# Altium PCB PCB.PcbDoc (part 2 of 3)
Units mm, origin at the board's own origin, x right, y up, seen from the top; angles counter-clockwise.
Board outline 157.4 x 131.87 mm, 4 copper layers (Top Layer, Power, GND, Bottom Layer), stack 0.603 mm thick; 193 components, 161 nets, 761 pads, 797 vias.
Unrouted connection lines stored in the file: 9.
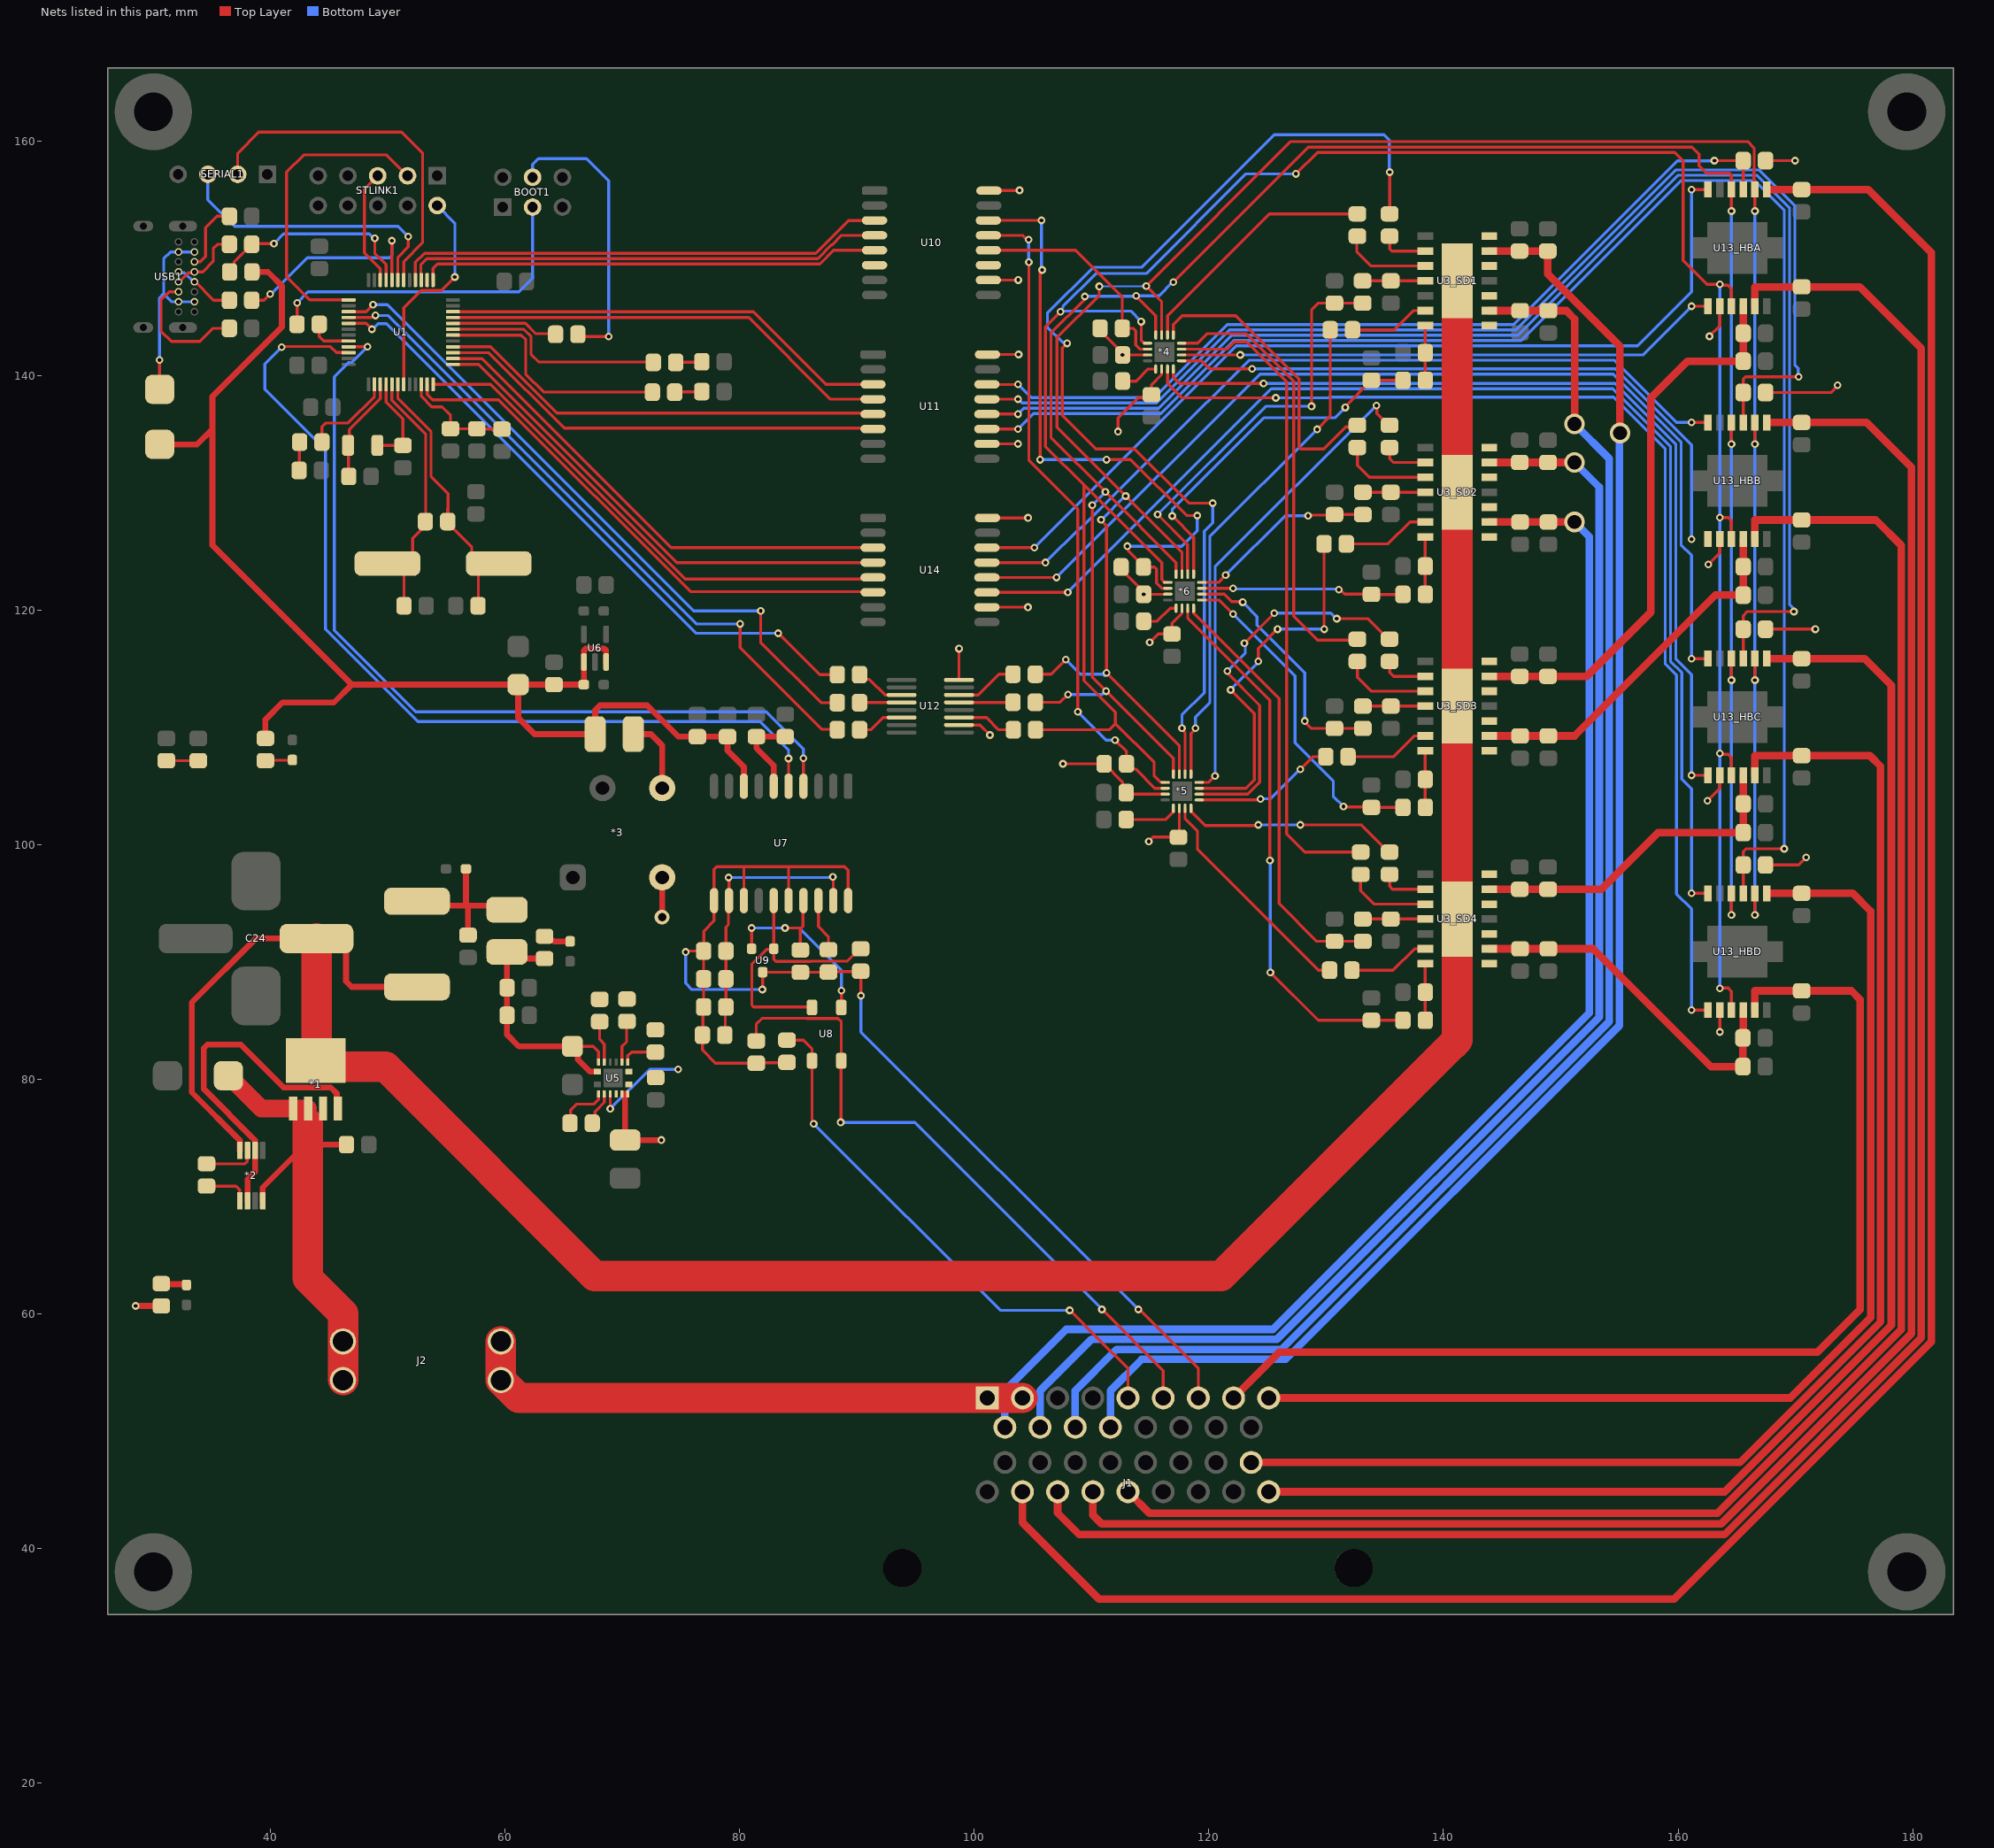
[diagram p4: the nets of this part, all layers, seen from the top]

## Via types
v1: diameter 0.55, hole 0.25, Top Layer to Bottom Layer, tented both sides, 563 vias
v2: diameter 0.66, hole 0.33, Top Layer to Bottom Layer, tented both sides, 193 vias
v3: diameter 0.254, hole 0.127, Top Layer to Bottom Layer, tented both sides, 36 vias
v4: diameter 1.75, hole 1.191, Top Layer to Bottom Layer, tented both sides, 4 vias
v5: diameter 1.27, hole 0.711, Top Layer to Bottom Layer, tented both sides, 1 vias

## Nets (pads, with @x,y where several pads share a name; then routed paths per layer and width w, separated by ;. In a path a pad name is that pad's centre, name@x,y a point inside that pad or via, vN(x,y) a via of type N, cw(c..) or ccw(c..) an arc to the next point about the centre after c; other vN are vias at no path point) (continued)
5V: *3.4 *4.7 *4.10 *5.7 *5.10 *6.7 *6.10 C29.2 C51.2 C52.2 C54.2 C55.2 C57.2 C58.2 D6.A R30.2 R31.2 R32.2 R39_HBA.2 R39_HBB.2 R39_HBC.2 R39_HBD.2 U5.4 U5.5 U5.6 U10.10 U10.16 U11.10 U11.16 U12.10 U12.16 U13_HBA.2 U13_HBB.2 U13_HBC.2 U13_HBD.2 U14.10 U14.16 | length 100.4
  Top Layer w0.25: U12.10@98.688,110.206 100.469,110.206 v2(101.325,109.35) ; U12.16@98.688,114.046 v2(98.688,116.713) ; U14.10@101.064,120.247 v2(104.572,120.247) ; U11.10@101.064,134.174 v2(103.724,134.174) ; U14.16@101.115,127.867 v2(104.575,127.867) ; U11.16@101.115,141.794 v2(103.769,141.794) ; U10.10@101.191,148.144 v2(103.744,148.144) ; U10.16@101.242,155.764 101.26,155.782 103.832,155.782 v2(103.85,155.8) ; v2(107.553,106.897) R31.2@111.064,106.897 112.614,105.347 112.614,104.757 113.06,104.312 *5.10@116.27,104.312 ; R30.2@110.714,144.028 110.714,143.855 112.638,141.93 v2(112.638,141.757) *4.10@114.765,141.757 ; v2(112.25,135.225) 112.25,136.4 113.973,138.123 114.848,138.123 C52.2@115.098,138.373 115.098,139.225 115.965,140.092 *4.7@115.965,140.557 ; R32.2@112.513,123.678 112.513,123.474 114.437,121.55 v2(114.437,121.345) 116.203,121.345 116.219,121.361 *6.10@116.494,121.361 ; v2(114.875,100.275) 115.24,100.64 C55.2@117.401,100.64 117.47,100.709 *5.7@117.47,103.112 ; v2(114.95,117.25) 115.665,117.965 C58.2@116.851,117.965 116.851,118.878 117.694,119.721 *6.7@117.694,120.161 ; v2(162.5,103.75) 163.556,104.806 U13_HBC.2@163.556,105.912 ; v2(162.575,123.9) 163.556,124.881 U13_HBB.2@163.556,126.052 ; v2(162.675,143.35) 163.556,144.231 U13_HBA.2@163.556,145.909 ; v2(163.556,84.031) U13_HBD.2@163.556,85.902 ; R39_HBD.2@167.456,98.276 170.276,98.276 v2(170.925,98.925) ; R39_HBC.2@167.456,118.376 v2(171.701,118.376) ; R39_HBB.2@167.456,138.551 173.026,138.551 173.6,139.125 v2(173.6,139.175) ; R39_HBA.2@167.456,158.326 v2(169.974,158.326)
  Top Layer w0.5: v2(28.475,60.675) D6.A@30.675,60.675 ; 70.225,78.75 C29.2@70.225,74.815 v2(73.3,74.815) ; v5(73.375,93.825) *3.4@73.375,97.207
"5V (ISO)": C35.2 C36.2 C37.2 C39.2 C41.2 C42.2 C43.2 D3.K D7.A L2.1 R9.1 U6.1 U6.3 U7.6 U7.8 | length 122.1
  Top Layer w0.5: D3.K@30.525,134.125 33.718,134.125 35.025,135.432 ; R9.1@38.4,148.836 39.764,148.836 40.95,147.65 40.95,144.144 35.025,138.219 35.025,135.432 ; D7.A@39.549,109.062 39.549,110.674 41,112.125 45.388,112.125 46.913,113.65 ; U6.3@68.6,115.575 68.6,116.579 68.454,116.725 66.846,116.725 66.7,116.579 U6.1@66.7,115.575 C37.2@66.7,113.65 C36.2@64.149,113.65 C35.2@61.1,113.65 ; U7.8@80.346,104.987 80.346,106.629 78.95,108.025 C41.2@78.95,109.212 C42.2@76.375,109.212 74.763,109.212 72.1,111.875 68.075,111.875 67.665,111.465 L2.1@67.665,109.425 62.5,109.425 61.1,110.825 C35.2@61.1,113.65 ; U7.6@82.886,104.987 82.886,106.764 81.424,108.226 C39.2@81.424,109.212 C43.2@83.874,109.212 ; 35.025,135.432 35.025,125.538 46.913,113.65 ; 46.913,113.65 C35.2@61.1,113.65
24V: C20.2 C21.2 C30.2 D5.A L1.1 U5.14 U5.15 | length 23.2
  Top Layer w0.25: C30.2@65.725,82.8 67.5,82.8 67.95,82.35 U5.14@67.95,81.45
  Top Layer w0.5: D5.A@63.351,90.29 60.712,90.29 L1.1@60.15,90.852 C21.2@60.15,87.801 C20.2@60.15,85.451 60.15,83.8 61.15,82.8 C30.2@65.725,82.8 66.199,82.326 66.199,81.676 67.221,80.654 67.846,80.654 U5.15@67.85,80.65
"24V PWR": *1.5 *2.8 C24.2 F1.1 U3_SD1.15 U3_SD2.15 U3_SD3.15 U3_SD4.15 | length 227.5
  Top Layer w0.5: *2.8@37.367,73.927 37.367,74.783 33.275,78.875 33.275,86.55 38.727,92.002 C24.2@43.9,92.002 45.454,92.002 46.425,91.031 46.425,88.352 46.9,87.877 F1.1@52.475,87.877 ; *1.5@43.825,81.602 *1.5@43.9,81.677
  Top Layer w2.6: *1.5@43.825,81.602 44.374,81.053 49.797,81.053 67.625,63.225 121.05,63.225 140.85,83.025 ; *1.5@43.9,81.677 C24.2@43.9,92.002
  Top Layer w2.65: 140.85,83.025 141.175,83.35 U3_SD4.15@141.175,93.66 U3_SD3.15@141.175,111.816 U3_SD2.15@141.175,130.052 U3_SD1.15@141.175,148.077
"ADC CS (ISO)": U1.28 U10.3 | length 42.1
  Top Layer w0.25: U1.28@52.34,148.149 52.34,149.656 53.114,150.43 86.46,150.43 89.254,153.224 U10.3@91.489,153.224
"ADC CS (NON ISO)": *6.11 R32.1 U10.14 | length 54.2
  Top Layer w0.25: U10.14@101.191,153.224 101.192,153.225 105.723,153.225 v2(105.725,153.227) ; v2(105.6,132.827) 105.619,132.846 105.619,148.743 105.773,148.897 v2(105.773,149.008) ; v2(111.275,132.827) 113.323,132.827 118.081,128.069 118.833,128.069 v2@118.95,127.952 ; v2(113.05,125.452) 113.128,125.374 113.128,125.062 114.413,123.778 R32.1@114.413,123.678 115.349,123.678 115.522,123.505 115.522,122.305 115.966,121.861 *6.11@116.494,121.861
  Bottom Layer w0.25: v2(105.6,132.827) v2(111.275,132.827) ; v2@105.725,148.892 v2(105.725,153.227) ; v2(113.05,125.452) 117.686,125.452 118.998,126.764 v2(118.998,128.069)
BOOT0: BOOT1.3 R8.1 | length 28.9
  Top Layer w0.249: R8.1@42.238,144.374 42.244,144.38 42.244,146.194 v2(42.25,146.2)
  Bottom Layer w0.249: v2(42.25,146.2) 43.178,147.128 61.168,147.128 62.33,148.29 BOOT1.3@62.33,154.367
BOOT1: BOOT1.4 R7.2 | length 24.6
  Top Layer w0.25: R7.2@66.189,143.52 66.391,143.318 v2@68.807,143.318
  Bottom Layer w0.25: BOOT1.4@62.33,156.907 62.33,158.004 62.831,158.505 66.92,158.505 68.807,156.618 v2@68.807,143.318
  other v2: 68.825,143.325
"CAN RX INDC": "CAN RX INDC1.A" U1.19 | length 19.2
  Top Layer w0.25: U1.19@55.477,143.949 U1.19@55.54,143.949 61.572,143.949 62.203,143.318 62.203,141.794 62.838,141.159 72.625,141.159
"CAN TX INDC": "CAN TX INDC1.A" U1.18 | length 20.8
  Top Layer w0.25: U1.18@55.477,143.449 U1.18@55.54,143.449 61.365,143.449 61.75,143.064 61.75,140.098 63.255,138.593 72.545,138.593
CAN_H: C47.2 J1.6 U8.2 | length 56.2
  Top Layer w0.25: C47.2@81.401,83.265 81.401,84.678 81.923,85.2 85.691,85.2 85.717,85.175 88.379,85.175 88.65,84.903 U8.2@88.65,81.577 88.625,81.552 88.625,76.35 v2(88.6,76.325) ; v2(110.875,60.375) 116.1,55.15 J1.6@116.1,52.825
  Bottom Layer w0.25: v2(88.6,76.325) 94.925,76.325 107.35,63.9 v2(110.875,60.375)
CAN_L: C48.2 J1.5 U8.1 | length 46.8
  Top Layer w0.25: C48.2@84.018,83.34 85.41,83.34 86.15,82.6 86.15,76.461 86.3,76.311 v2(86.3,76.2) ; v2(108.125,60.3) 110.564,57.861 113.1,55.325 J1.5@113.1,52.825
  Bottom Layer w0.25: v2(86.3,76.2) 102.2,60.3 v2(108.125,60.3)
CANS: C40.1 C44.1 C45.1 C46.1 C47.1 C48.1 C49.1 C50.1 J1.7 R29.1 U7.11 U7.13 U7.16 U7.20 U9.3 | length 112.8
  Top Layer w0.25: v2@75.376,90.852 75.462,90.937 C44.1@76.913,90.937 ; U7.13@80.346,95.234 80.346,98.077 80.396,98.127 ; v2(81.925,87.65) 81.951,87.676 U9.3@81.951,89.127 81.957,89.121 85.158,89.121 C50.1@85.164,89.115 85.176,89.128 87.539,89.128 R29.1@87.551,89.14 87.589,89.178 90.264,89.178 C49.1@90.301,89.215 90.325,89.191 v2(90.325,87.125) ; C48.1@84.018,81.44 83.98,81.403 81.439,81.403 C47.1@81.401,81.365 81.389,81.377 77.923,81.377 76.813,82.487 C45.1@76.813,83.776 76.863,83.826 76.863,86.113 C46.1@76.913,86.163 C40.1@76.913,88.55 C44.1@76.913,90.937 ; U7.16@84.156,95.234 84.156,98.109 84.174,98.127 ; U7.20@89.236,95.234 89.236,97.816 88.925,98.127 84.174,98.127 ; v2(113.975,60.375) 114.075,60.375 119.1,55.35 J1.7@119.1,52.825 ; C44.1@76.913,90.937 76.925,90.949 76.925,92.625 77.806,93.506 U7.11@77.806,95.233 77.806,97.908 78.025,98.127 80.396,98.127 ; 80.396,98.127 84.174,98.127
  Bottom Layer w0.25: v2(75.375,90.852) 75.375,88.198 75.923,87.65 v2(81.925,87.65) ; v2(90.325,87.125) 90.325,84.025 v2(113.975,60.375)
"CURRENT SENSE CH1": *6.15 C15_SD1.2 R15_SD1.1 | length 35.5
  Top Layer w0.25: v2(115.625,128.152) 118.175,125.602 *6.15@118.175,123.454 ; v2(128.75,137.377) 128.75,145.577 129.35,146.177 C15_SD1.2@130.706,146.177 R15_SD1.1@133.106,146.177
  Bottom Layer w0.25: v2(115.625,128.152) 124.85,137.377 v2(128.75,137.377)
"CURRENT SENSE CH2": *6.16 C14_SD1.2 R16_SD1.2 | length 30.6
  Top Layer w0.25: v2(116.875,128.027) 118.694,126.208 *6.16@118.694,123.061 ; v2(131.625,137.277) 131.625,137.371 133.848,139.594 C14_SD1.2@133.855,139.594 R16_SD1.2@136.544,139.594
  Bottom Layer w0.25: v2(116.875,128.027) 116.875,128.602 124.675,136.402 130.75,136.402 v2(131.625,137.277)
"CURRENT SENSE CH3": *6.1 C15_SD2.2 R15_SD2.1 | length 16.1
  Top Layer w0.25: *6.1@119.394,122.361 120.808,122.361 v2(121.428,122.982) ; v2(128.45,128.052) 128.5,128.102 130.656,128.102 C15_SD2.2@130.706,128.152 R15_SD2.1@133.122,128.152
  Bottom Layer w0.25: v2(121.428,122.982) 126.499,128.052 v2(128.45,128.052)
"CURRENT SENSE CH4": *6.2 C14_SD2.2 R16_SD2.2 | length 17.4
  Top Layer w0.25: *6.2@119.394,121.861 120.82,121.861 120.829,121.852 122.05,121.852 v2(122.051,121.853) ; v2(131.075,121.752) 131.186,121.752 131.58,121.358 133.836,121.358 C14_SD2.2@133.855,121.339 R16_SD2.2@136.545,121.339
  Bottom Layer w0.25: v2(122.051,121.853) 122.103,121.802 131.025,121.802 v2(131.075,121.752)
"CURRENT SENSE CH5": *6.3 C15_SD3.2 R15_SD3.1 | length 21.3
  Top Layer w0.25: *6.3@119.394,121.361 121.314,121.361 121.943,120.732 122.818,120.732 v2(122.875,120.675) ; v2(128.175,110.55) 128.175,110.456 128.715,109.916 C15_SD3.2@130.706,109.916 R15_SD3.1@133.122,109.916
  Bottom Layer w0.25: v2(122.875,120.675) 124.1,119.45 124.1,118.724 128.175,114.649 v2(128.175,110.55)
"CURRENT SENSE CH6": *6.4 C14_SD3.2 R16_SD3.2 | length 28.6
  Top Layer w0.25: *6.4@119.394,120.861 120.866,120.861 v2(122.05,119.677) ; v2(131.475,103.252) 131.512,103.215 133.818,103.215 C14_SD3.2@133.855,103.178 R16_SD3.2@136.545,103.178
  Bottom Layer w0.25: v2(122.05,119.677) 127.35,114.377 127.35,108.677 130.6,105.427 130.6,104.127 v2(131.475,103.252)
"CURRENT SENSE CH7": *6.5 C15_SD4.2 R15_SD4.1 | length 36.7
  Top Layer w0.25: *6.5@118.694,120.161 118.694,119.733 125.975,112.452 125.975,94.975 129.19,91.76 C15_SD4.2@130.706,91.76 R15_SD4.1@133.122,91.76
"CURRENT SENSE CH8": *6.6 C14_SD4.2 R16_SD4.2 | length 47
  Top Layer w0.25: *6.6@118.194,120.161 118.194,119.308 125.2,112.302 v2(125.2,98.652) ; v2(125.238,89.112) 129.322,85.028 C14_SD4.2@133.855,85.028 R16_SD4.2@136.545,85.028
  Bottom Layer w0.25: v2(125.2,98.652) 125.219,98.633 125.219,89.131 v2(125.238,89.112)
"DIAGNOSTIC EN A": *4.15 R19_SD1.1 | length 21.4
  Top Layer w0.25: *4.15@116.465,143.457 116.465,145.117 125.135,153.787 R19_SD1.1@132.655,153.787
"DIAGNOSTIC EN B": *4.16 R19_SD2.1 | length 25.8
  Top Layer w0.25: *4.16@116.965,143.457 116.965,144.342 117.725,145.102 122.282,145.102 127.678,139.706 127.678,133.896 127.825,133.75 129.8,133.75 131.676,135.626 132.519,135.626 R19_SD2.1@132.655,135.762
"DIAGNOSTIC EN C": *4.1 R19_SD3.1 | length 37.9
  Top Layer w0.25: *4.1@117.665,142.757 119.041,142.757 119.861,143.577 123.166,143.577 127.225,139.518 127.225,119.477 129.25,117.452 132.581,117.452 R19_SD3.1@132.655,117.526
"DIAGNOSTIC EN D": *4.2 R19_SD4.1 | length 56.1
  Top Layer w0.25: *4.2@117.665,142.257 121.555,142.257 122.175,142.877 123.225,142.877 126.625,139.477 126.625,100.902 128.157,99.37 R19_SD4.1@132.936,99.37
GLV+: J1.1 J1.2 J2.1 J2.2 | length 48.4
  Top Layer w2.6: J2.2@59.625,57.65 J2.1@59.625,54.348 61.148,52.825 J1.2@104.1,52.825
"H Bridge A CS": R39_HBA.1 U11.14 U13_HBA.9 | length 75.8
  Top Layer w0.25: U11.14@101.064,139.254 101.081,139.237 103.708,139.237 v2(103.725,139.254) ; v2(163.1,158.326) R39_HBA.1@165.556,158.326 U13_HBA.9@165.556,155.859
  Bottom Layer w0.25: v2(103.725,139.254) 104.867,138.112 115.346,138.112 121.574,144.34 145.971,144.34 159.932,158.3 163.074,158.3 v2(163.1,158.326)
"H Bridge A CS (ISO)": U1.22 U11.3 | length 38.5
  Top Layer w0.25: U1.22@55.477,145.449 U1.22@55.54,145.449 81.154,145.449 87.349,139.254 U11.3@91.362,139.254
"H Bridge A Direction": *4.3 U13_HBA.1 | length 46.6
  Top Layer w0.25: *4.3@117.665,141.757 v2(122.675,141.757) ; v2(161.15,145.909) 161.182,145.909 161.2,145.927 161.218,145.909 U13_HBA.1@162.556,145.909
  Bottom Layer w0.25: v2@122.688,141.757 156.998,141.757 v2(161.15,145.909)
"H Bridge A OUT1": C66_HBA.2 J1.28 U13_HBA.5 | length 185.5
  Top Layer w0.65: J1.28@107.1,44.825 107.1,43.025 108.95,41.175 163.951,41.175 180.747,57.97 180.747,142.3 175.482,147.565 C66_HBA.2@170.539,147.565 ; U13_HBA.5@166.556,145.909 166.556,147.566 C66_HBA.2@170.538,147.566
"H Bridge A OUT2": C67_HBA.2 J1.27 U13_HBA.7 | length 201
  Top Layer w0.65: J1.27@104.1,44.825 104.1,42.2 110.625,35.675 159.658,35.675 181.6,57.617 181.6,150.475 176.216,155.859 C67_HBA.2@170.539,155.859 U13_HBA.7@167.556,155.859
"H Bridge A Power": C16_SD3.2 C60_HBA.2 C65_HBA.2 R21_SD3.2 U3_SD3.12 U3_SD3.13 U3_SD3.14 U13_HBA.4 | length 48.2
  Top Layer w0.65: U3_SD3.13@143.905,114.356 C16_SD3.2@146.503,114.356 R21_SD3.2@148.916,114.356 152.204,114.356 157.675,119.827 157.675,138.102 160.801,141.228 C60_HBA.2@165.556,141.228 C65_HBA.2@165.556,143.603 U13_HBA.4@165.556,145.909
"H Bridge B CS": R39_HBB.1 U11.13 U13_HBB.9 | length 101.8
  Top Layer w0.25: U11.13@101.064,137.984 103.679,137.984 v2@103.725,138.03 ; v2(103.725,137.984) v2@103.725,138.03 ; v2@103.737,138.042 v2@103.725,138.03 ; U13_HBB.9@165.556,136.002 R39_HBB.1@165.556,138.551 165.556,139.708 165.75,139.902 v2(170.275,139.902)
  Bottom Layer w0.25: v2(103.725,137.984) 104.051,137.658 115.534,137.658 121.762,143.887 146.159,143.887 159.8,157.527 166.916,157.527 169.956,154.487 169.956,140.902 170.251,140.607 170.251,139.926 v2(170.275,139.902)
"H Bridge B CS (ISO)": U1.21 U11.4 | length 38.8
  Top Layer w0.25: U1.21@55.477,144.949 U1.21@55.54,144.949 80.765,144.949 87.73,137.984 U11.4@91.362,137.984
"H Bridge B Direction": *4.4 U13_HBB.1 | length 54.5
  Top Layer w0.25: *4.4@117.665,141.257 119.395,141.257 120.075,140.577 v2(123.675,140.577)
  Bottom Layer w0.25: v2(123.675,140.577) 154.659,140.577 161.15,134.086 v2(161.15,126.052)
"H Bridge B OUT1": C66_HBB.2 J1.30 U13_HBB.5 | length 155
  Top Layer w0.65: J1.30@113.1,44.825 114.925,43 163.363,43 179.04,58.677 179.04,125.51 176.86,127.69 C66_HBB.2@170.539,127.69 166.556,127.69 U13_HBB.5@166.556,126.052
"H Bridge B OUT2": C67_HBB.2 J1.29 U13_HBB.7 | length 166.6
  Top Layer w0.65: J1.29@110.1,44.825 110.1,42.85 110.85,42.1 163.67,42.1 179.894,58.324 179.894,132.175 176.067,136.002 C67_HBB.2@170.539,136.002 U13_HBB.7@167.556,136.002
"H Bridge B Power": C17_SD3.2 C60_HBB.2 C65_HBB.2 R23_SD3.2 U3_SD3.8 U3_SD3.9 U3_SD3.10 U13_HBB.4 | length 31.4
  Top Layer w0.65: U3_SD3.9@143.905,109.276 C17_SD3.2@146.534,109.276 R23_SD3.2@148.947,109.276 151.174,109.276 163.176,121.278 C60_HBB.2@165.556,121.278 C65_HBB.2@165.556,123.703 U13_HBB.4@165.556,126.052
"H Bridge C CS": R39_HBC.1 U11.12 U13_HBC.9 | length 120.7
  Top Layer w0.25: U11.12@101.064,136.714 v2(103.725,136.714) ; U13_HBC.9@165.556,115.862 R39_HBC.1@165.556,118.376 165.556,119.533 165.9,119.877 v2(169.875,119.877)
  Bottom Layer w0.25: v2(103.725,136.714) 104.216,137.205 115.721,137.205 121.95,143.433 146.347,143.433 159.987,157.074 166.728,157.074 169.503,154.299 169.503,120.499 169.797,120.205 169.797,119.955 v2(169.875,119.877)
"H Bridge C CS (ISO)": U1.16 U11.5 | length 38.2
  Top Layer w0.25: U1.16@55.54,142.449 58.742,142.449 64.402,136.789 91.286,136.789 U11.5@91.362,136.714
"H Bridge C Direction": *4.5 U13_HBC.1 | length 76.1
  Top Layer w0.25: *4.5@116.965,140.557 116.965,139.837 117.475,139.327 v2(124.65,139.327) ; v2(161.15,105.912) U13_HBC.1@162.556,105.912
  Bottom Layer w0.25: v2(124.65,139.327) 154.627,139.327 159.806,134.148 159.806,115.846 161.15,114.502 v2(161.15,105.912)
"H Bridge C OUT1": C66_HBC.2 J1.25 U13_HBC.5 | length 118.8
  Top Layer w0.65: J1.25@123.6,47.325 165.275,47.325 177.275,59.325 177.275,106.675 176.36,107.59 C66_HBC.2@170.539,107.59 166.556,107.59 U13_HBC.5@166.556,105.912
"H Bridge C OUT2": C67_HBC.2 J1.34 U13_HBC.7 | length 125.1
  Top Layer w0.65: J1.34@125.1,44.825 163.982,44.825 178.187,59.031 178.187,113.588 175.913,115.862 C67_HBC.2@170.539,115.862 U13_HBC.7@167.556,115.862
"H Bridge C Power": C16_SD4.2 C60_HBC.2 C65_HBC.2 R21_SD4.2 U3_SD4.12 U3_SD4.13 U3_SD4.14 U13_HBC.4 | length 28.5
  Top Layer w0.65: U3_SD4.13@143.905,96.2 C16_SD4.2@146.503,96.2 R21_SD4.2@148.916,96.2 153.473,96.2 158.301,101.028 C60_HBC.2@165.556,101.028 C65_HBC.2@165.556,103.478 U13_HBC.4@165.556,105.912
"H Bridge D CS": R39_HBD.1 U11.11 U13_HBD.9 | length 139.4
  Top Layer w0.25: U11.11@101.064,135.444 v2(103.725,135.444) ; U13_HBD.9@165.556,95.852 R39_HBD.1@165.556,98.276 165.556,99.408 165.8,99.652 v2(169.05,99.652)
  Bottom Layer w0.25: v2(103.725,135.444) 105.033,136.752 115.909,136.752 122.137,142.98 146.605,142.98 160.246,156.621 166.54,156.621 169.05,154.111 v2(169.05,99.652)
"H Bridge D CS (ISO)": U1.15 U11.6 | length 38.5
  Top Layer w0.25: U1.15@55.54,141.949 58.601,141.949 65.034,135.516 91.289,135.516 U11.6@91.362,135.444
"H Bridge D Direction": *4.6 U13_HBD.1 | length 96.2
  Top Layer w0.25: *4.6@116.465,140.557 116.465,139.337 117.7,138.102 v2(125.7,138.102) ; v2(161.15,85.902) U13_HBD.1@162.556,85.902
  Bottom Layer w0.25: v2(125.7,138.102) 130.201,138.102 130.258,138.159 154.513,138.159 158.9,133.772 158.9,115.452 159.875,114.477 159.875,95.802 161.15,94.527 v2(161.15,85.902)
"H Bridge D OUT1": C66_HBD.2 J1.8 U13_HBD.5 | length 93.9
  Top Layer w0.65: J1.8@122.1,52.825 125.999,56.724 171.88,56.724 175.531,60.375 175.531,86.794 174.785,87.54 166.556,87.54 U13_HBD.5@166.556,85.902
"H Bridge D OUT2": C67_HBD.2 J1.9 U13_HBD.7 | length 98.3
  Top Layer w0.65: J1.9@125.1,52.825 169.568,52.825 176.422,59.678 176.422,94.328 174.898,95.852 C67_HBD.2@170.539,95.852 U13_HBD.7@167.556,95.852
"H Bridge D Power": C17_SD4.2 C60_HBD.2 C65_HBD.2 R23_SD4.2 U3_SD4.8 U3_SD4.9 U3_SD4.10 U13_HBD.4 | length 30.6
  Top Layer w0.65: U3_SD4.9@143.905,91.12 C17_SD4.2@146.534,91.12 R23_SD4.2@148.947,91.12 152.757,91.12 162.799,81.078 C60_HBD.2@165.532,81.078 C65_HBD.2@165.532,83.528 165.556,83.553 U13_HBD.4@165.556,85.902
MISO: *4.12 *5.12 *6.12 R38.2 U13_HBA.3 U13_HBB.3 U13_HBC.3 U13_HBD.3 | length 215.5
  Top Layer w0.25: R38.2@105.221,109.801 111.496,109.801 112.023,110.329 ; v2(107.34,145.437) 106.072,144.169 106.072,133.939 109.335,130.676 ; v2(114.22,144.599) 114.228,144.591 114.228,143.019 114.49,142.757 *4.12@114.765,142.757 ; *5.12@116.27,105.312 115.87,105.312 115.325,105.857 115.325,107.027 112.023,110.329 ; *6.12@116.494,122.361 116.219,122.361 115.975,122.605 115.975,124.036 109.335,130.676 ; v2(127.425,157.2) 129.249,159.024 159.726,159.024 160.441,158.309 160.441,149.809 162.473,147.777 v2(163.556,147.777) 163.634,147.699 164.253,147.699 164.556,147.396 U13_HBA.3@164.556,145.909 ; v2(163.556,87.752) 163.581,87.777 164.275,87.777 164.556,87.496 U13_HBD.3@164.556,85.902 ; v2(163.556,107.777) 163.634,107.699 164.278,107.699 164.556,107.421 U13_HBC.3@164.556,105.912 ; v2(163.556,127.902) 164.275,127.902 164.556,127.621 U13_HBB.3@164.556,126.052 ; 109.335,130.676 109.335,113.99 112.023,111.301 112.023,110.329
  Bottom Layer w0.25: v2@107.275,145.502 113.325,145.502 114.22,144.607 v2(114.22,144.599) ; v2(107.34,145.437) 107.34,145.548 107.545,145.754 107.545,145.875 110.37,148.7 114.65,148.7 123.15,157.2 125.55,157.2 v2(127.425,157.2) ; v2(163.556,87.752) v2(163.556,107.777) v2(163.556,127.902) v2(163.556,147.777)
"MISO (ISO)": R37.1 U1.40 | length 57.6
  Top Layer w0.25: U1.40@46.577,144.949 U1.40@46.64,144.949 48.598,144.949 48.695,145.047 48.847,145.047 v2(48.925,145.125) ; v2(80.025,118.825) 80.025,116.8 86.979,109.846 R37.1@88.31,109.846
  Bottom Layer w0.25: v2(48.925,145.125) 49.982,145.125 76.282,118.825 v2(80.025,118.825)
MOSI: *4.14 *5.14 *6.14 R33.1 U13_HBA.8 U13_HBB.8 U13_HBC.8 U13_HBD.8 | length 201.8
  Top Layer w0.25: R33.1@105.2,114.529 106.554,114.529 v2(107.8,115.775) ; v2(110.65,147.602) 110.65,146.852 107.05,143.252 107.05,135.577 v2(112.9,129.727) 117.694,124.933 *6.14@117.694,123.168 ; v2(110.803,127.699) 110.803,127.647 111.275,127.175 v2(111.275,114.652) 117.47,108.457 *5.14@117.47,106.012 ; *4.14@115.965,143.457 115.965,146.312 v2(114.65,147.627) 126.975,159.952 165.948,159.952 166.483,159.417 166.483,157.651 166.46,157.627 166.46,155.955 U13_HBA.8@166.556,155.859 v2(166.556,154.027) ; v2(166.556,94.002) U13_HBD.8@166.556,95.852 ; v2(166.556,114.027) U13_HBC.8@166.556,115.862 ; v2(166.556,134.152) U13_HBB.8@166.556,136.002